# KiCad board Video Board - Memory.kicad_pcb (continued)
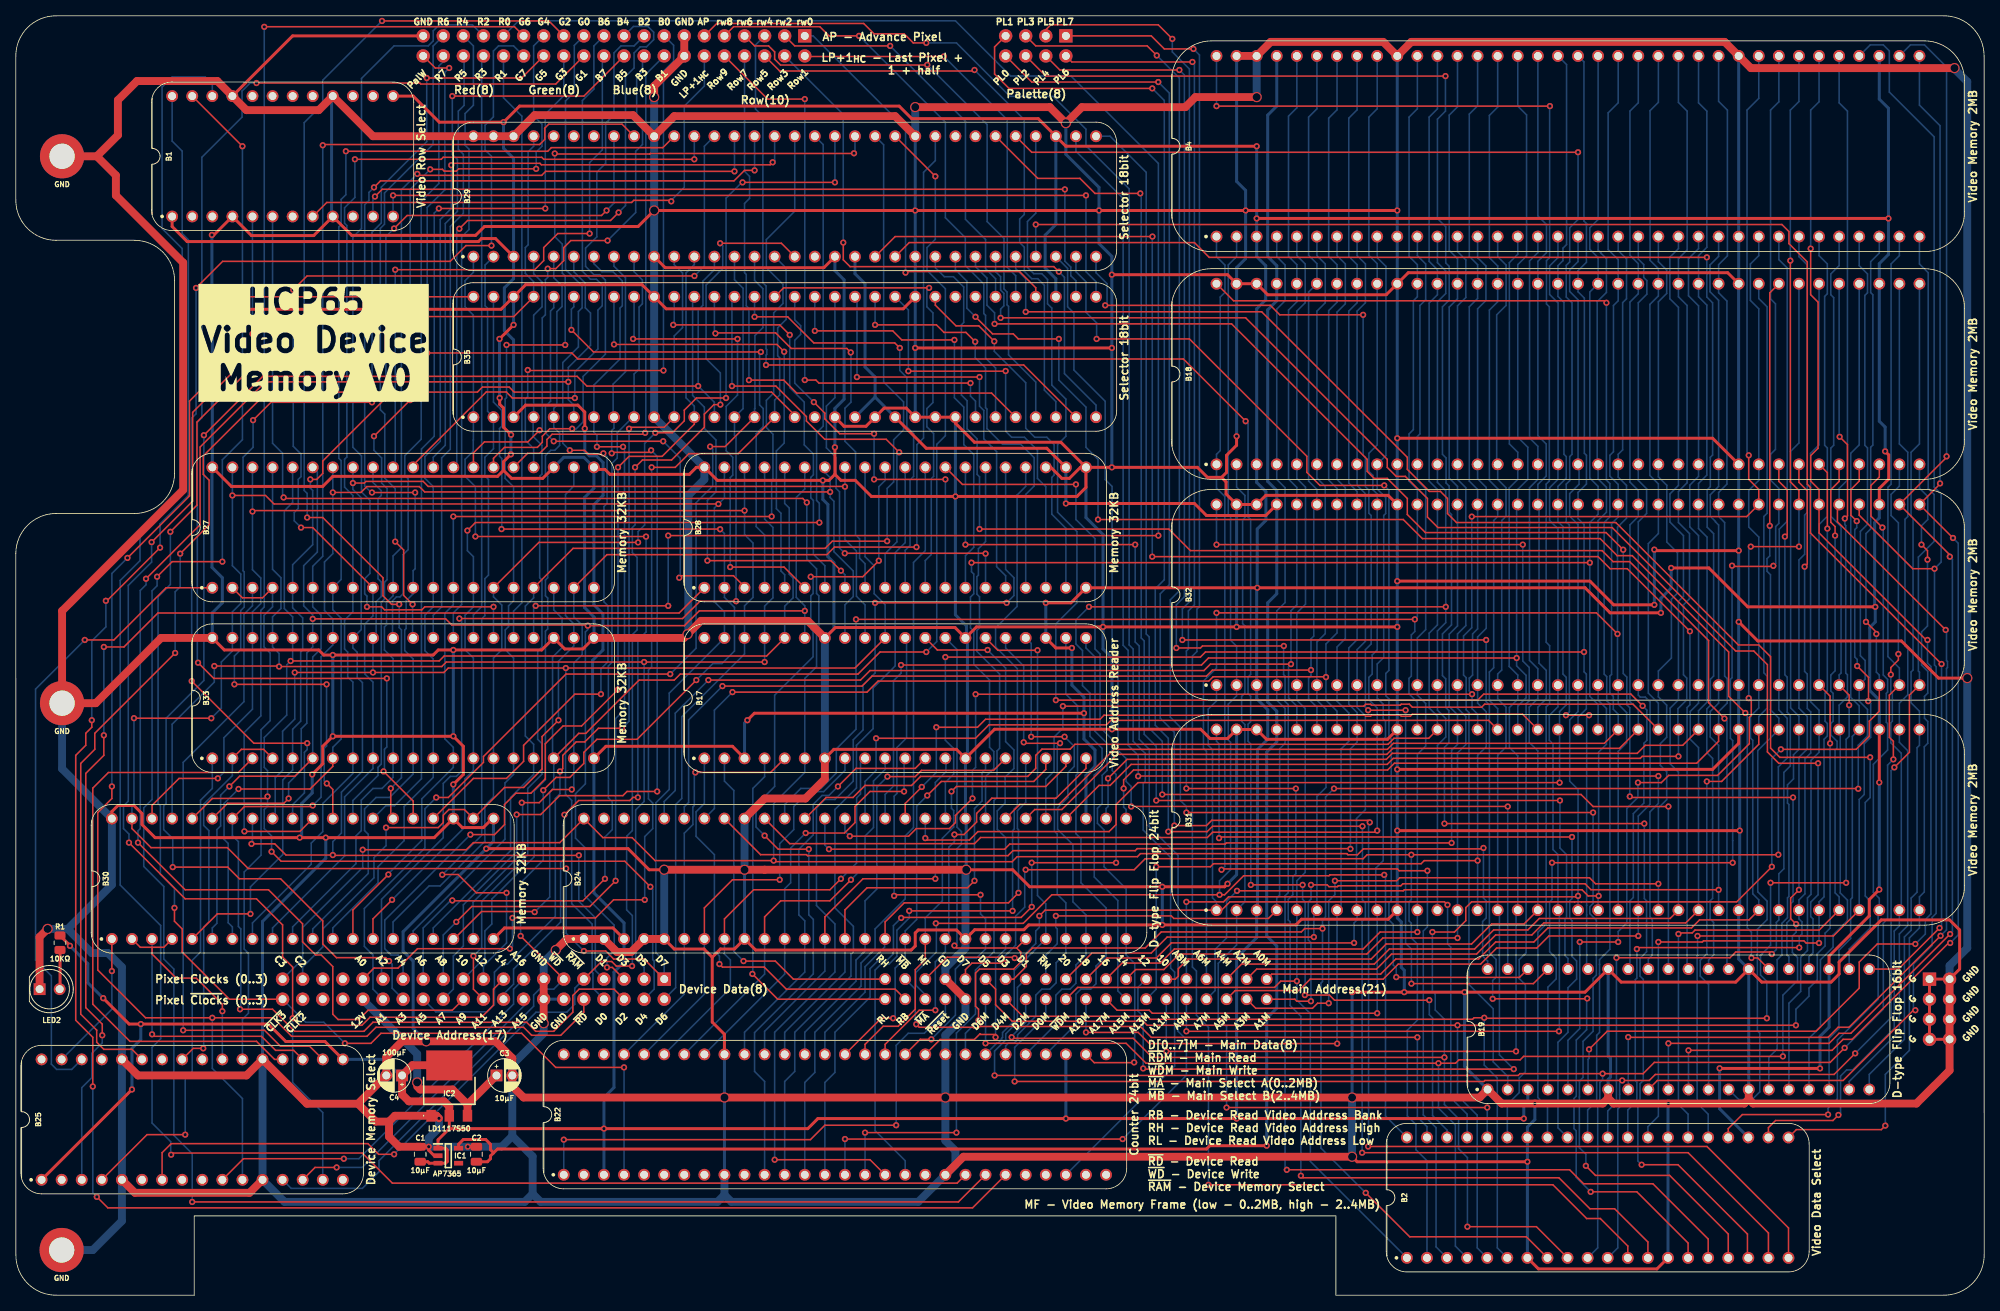
[diagram p0: board, top side]
## Routing (per net, layer and track width the routed paths; a pad name or vN(x,y) marks a point on that pad's centre or on a via; arc(x,y) is an arc through that point) (continued)
/PL0: length 244
  Top w0.2: v1(144.48,153.54) 128.48,153.54 J1.8 ; v1(171.03,18.82) 213.88,18.82 224.19,8.51 B2.20 ; v1(171.23,59.84) 170.97,60.1 151.24,60.1 150.58,59.44 v1(146.52,59.44)
  Bottom w0.2: v1(144.48,153.54) 145.88,152.15 145.88,89.92 144.74,88.77 144.74,73.03 146.52,71.25 v1(146.52,59.44) ; v1(171.03,18.82) 171.08,18.88 171.08,59.69 v1(171.23,59.84)
/PL1: length 247.2
  Top w0.2: v1(170.3,59.35) 151.35,59.35 150.67,58.67 v1(145.75,58.67) ; J1.7 123.78,157.99 123.78,154.56 125.6,152.74 v1(143.72,152.74) ; v1(170.26,18.03) 211.49,18.03 221.65,7.87 B2.19
  Bottom w0.2: v1(170.3,59.35) 170.3,50.03 170.68,49.66 170.68,47.75 170.26,47.34 v1(170.26,18.03) ; v1(143.72,152.74) 145.25,151.21 145.25,90.55 144.1,89.41 144.1,72.14 145.75,70.49 v1(145.75,58.67)
/PL2: length 241.1
  Top w0.2: v1(180.68,59.69) v1(205.95,59.69) ; v1(205.61,16.51) 210.22,16.51 218.99,7.73 218.99,4.84 ; v1(180.81,154.29) 130.27,154.29 J1.6
  Bottom w0.2: v1(205.61,16.51) 205.14,16.99 205.14,23.83 205.41,24.1 205.41,26.76 205.82,27.18 205.82,39.97 205.41,40.39 205.41,42.64 206.24,43.47 206.24,49.91 205.95,50.2 v1(205.95,59.69) ; v1(180.81,154.29) 180.81,149.86 179.79,148.84 179.79,136.27 180.84,135.22 180.84,130.65 181.28,130.21 181.28,125.95 180.42,125.1 180.42,106.43 180.88,105.97 180.88,102.8 181.28,102.4 181.28,99.1 181.57,98.81 181.57,84.84 180.42,83.69 180.42,78.42 180.84,78.01 180.84,74.39 181.24,73.99 181.24,69.9 180.68,69.34 v1(180.68,59.69)
/PL3: length 238.4
  Top w0.2: J1.5 128.99,158.12 143.09,158.12 v1(144.29,156.91) ; v1(148.04,61.09) v1(199.47,61.09) ; B2.17 216.57,7.75 209.15,15.16 199.77,15.16 v1(198.56,16.37)
  Bottom w0.2: v1(198.56,16.37) 198.56,17.85 197.74,18.67 197.74,25.08 197.75,25.09 197.75,27.11 198.2,27.56 198.2,32.13 199.47,33.4 199.47,40.1 199.89,40.51 199.89,47.47 199.06,48.3 199.06,49.17 199.47,49.59 v1(199.47,61.09) ; v1(148.04,61.09) 148.04,61.85 147.28,62.61 147.28,71.88 146.01,73.15 146.01,88.01 147.15,89.15 147.15,154.05 v1(144.29,156.91)
/PL4: length 231.3
  Top w0.2: v1(147.15,155.07) 132.04,155.07 J1.4 ; v1(160.74,15.87) 160.75,15.88 196.5,15.88 198.28,14.1 207.04,14.1 214.03,7.11 B2.16 ; v1(160.36,82.17) 150.07,82.17 149.82,81.92 v1(146.77,81.92)
  Bottom w0.2: v1(146.77,81.92) 146.77,87.38 147.79,88.39 147.79,154.43 v1(147.15,155.07) ; v1(160.74,15.87) 160.52,16.09 160.52,50.55 160.92,50.95 160.92,74.75 160.52,75.15 160.52,78.36 160.33,78.55 160.33,82.14 v1(160.36,82.17)
/PL5: length 234.5
  Top w0.2: v1(199.17,13.08) 205.01,13.08 211.49,6.6 B2.15 ; v1(185.95,82.93) v1(147.53,82.93) ; v1(198.73,37.56) 198.69,37.51 v1(186.77,37.51) ; J1.3 130.26,160.15 130.89,160.78 144.48,160.78 v1(146.26,159)
  Bottom w0.2: v1(198.73,37.56) 198.66,37.49 198.66,33.6 197.35,32.29 197.35,25.18 197.06,24.89 197.06,21.08 197.34,20.81 197.34,14.91 v1(199.17,13.08) ; v1(146.26,159) 146.26,157.35 148.42,155.19 148.42,87.76 147.53,86.87 v1(147.53,82.93) ; v1(185.95,82.93) 185.95,75.12 186.36,74.71 186.36,43.34 187.2,42.5 187.2,40.26 186.77,39.83 v1(186.77,37.51)
/PL6: length 222.1
  Top w0.2: J1.2 133.56,156.08 v1(148.8,156.08) ; v1(162.52,15.13) 162.78,14.86 195.16,14.86 199.08,10.93 202.21,10.93 206.41,6.73 B2.13 ; v1(161.88,64.12) 148.05,64.12 v1(148.04,64.14)
  Bottom w0.2: v1(162.52,15.13) 162.52,35.31 161.16,36.66 161.16,47.26 160.92,47.5 160.92,50.09 161.5,50.67 161.5,52.96 161.88,53.34 v1(161.88,64.12) ; v1(148.04,64.14) 148.04,81.53 148.29,81.79 148.29,86.61 149.06,87.38 149.06,155.83 v1(148.8,156.08)
/PL7: length 219.8
  Top w0.2: B2.12 203.87,6.22 200.39,9.7 198.66,9.7 194.39,13.97 v1(150.83,13.97) ; J1.1 143.59,159.39 145.25,157.73 v1(148.93,157.73)
  Bottom w0.2: v1(148.93,157.73) 149.69,156.97 149.69,87.16 149.37,86.84 149.37,81.47 148.8,80.9 148.8,41.53 149.31,41.02 149.31,35.43 150.83,33.91 v1(150.83,13.97)
/Read Address Bank: length 53
  Top w0.2: v1(88.98,41.91) 89.37,41.53 94.65,41.53 97.44,38.74 111.21,38.74 J2.38
  Bottom w0.2: B17.1 87.08,62.23 86.03,61.18 86.03,58.07 88.35,55.75 88.35,43.56 88.98,42.93 v1(88.98,41.91)
/Read Address High: length 45.5
  Top w0.2: v1(92.03,42.29) 96.05,42.29 98.33,40.01 J2.39
  Bottom w0.2: B17.2 89.62,65.07 90.81,63.88 90.81,43.52 v1(92.03,42.29)
/Read Address Low: length 46
  Top w0.2: J2.40 96.35,37.47 v1(93.15,40.66)
  Bottom w0.2: v1(93.15,40.66) 93.21,40.72 93.21,64.14 94.7,65.63 B17.4
/Red0: length 230
  Top w0.2: v1(65.74,87.25) v1(82.51,87.25) ; v1(144.5,96.14) v1(82.51,96.14)
  Bottom w0.2: J3.31 63.58,161.29 118.83,161.29 125.81,154.31 133.44,154.31 144.5,143.25 v1(144.5,96.14) ; v1(65.74,87.25) 65.49,87 B33.24 ; v1(82.51,96.14) v1(82.51,87.25)
/Red1: length 75.1
  Bottom w0.2: J3.32 61.68,151.55 64,149.23 64,87.63 62.95,86.58 B33.25
/Red2: length 108.4
  Top w0.2: v1(60.41,87.12) 51.72,87.12 51.34,86.74 46.64,86.74 46.26,87.12 v1(44.41,87.12)
  Bottom w0.2: J3.33 57.74,160.78 53.55,160.78 52.79,160.02 52.79,158.75 52.15,158.12 47.84,158.12 43.72,154 43.72,135 42.63,133.91 42.63,107.32 43.72,106.23 43.72,101.65 44.79,100.58 44.79,91.35 44.12,90.68 44.12,88.77 44.41,88.49 v1(44.41,87.12) ; B33.26 v1(60.41,87.12)
/Red3: length 73.9
  Bottom w0.2: 58.92,156.63 58.92,87.16 57.87,86.11 B33.27
/Red4: length 78.2
  Bottom w0.2: J3.35 57.87,158.12 57.87,150.61 56.82,149.55 56.82,145.54 57.31,145.05 57.31,134.88 56.38,133.95 56.38,87.41 55.33,86.36 B33.28
/Red5: length 75.7
  Bottom w0.2: 56.69,156.75 56.69,150.59 55.96,149.86 55.96,145.03 56.6,144.4 56.6,136.91 54.95,135.26 54.95,107.06 53.85,105.97 53.85,87.12 52.79,86.06 B33.29
/Red6: length 81.1
  Top w0.2: v1(50.18,87.44) 49.05,88.57 49.05,94.31 v1(47.98,95.38)
  Bottom w0.2: v1(47.98,95.38) 47.98,102.09 46.66,103.41 46.66,111.51 46.1,112.08 46.1,135.01 46.63,135.54 46.63,139.51 52.78,145.66 52.78,158.1 J3.37 ; 50.18,83.26 v1(50.18,87.44)
/Red7: length 76.2
  Bottom w0.2: 47.64,83.25 47.64,87.89 48.13,88.38 48.59,88.38 48.98,88.77 48.98,93.73 49.61,94.36 49.61,103.34 49.2,103.76 49.2,106.26 51.27,108.33 51.27,138.46 53.5,140.7 53.5,155.58 54.06,156.13
/Row Address ~{OE}: length 60.2
  Top w0.2: v1(68.03,108.08) v1(81.87,108.08) ; 92.16,89.66 90.76,91.06 84.16,91.06 v1(83.9,90.81)
  Bottom w0.2: v1(81.87,108.08) 84.03,105.92 84.03,90.93 v1(83.9,90.81) ; v1(68.03,108.08) 66.98,109.13 66.98,112.49 67.62,113.13 67.62,124.56 68.03,124.97 B35.60
/Row Address ~{WE}: length 60.3
  Top w0.2: v1(70.26,122.17) 73.06,119.38 v1(94.22,119.38)
  Bottom w0.2: v1(94.22,119.38) 94.06,119.22 94.06,112.68 94.52,112.22 94.52,109.93 93.63,109.04 93.63,97.28 94.7,96.21 B28.4 ; v1(70.26,122.17) 70.26,124.79 70.57,125.1 B35.59
/RowA0: length 46.5
  Top w0.2: v1(123.75,120.72) 121.79,122.68 118.91,122.68 116.29,125.3 B35.41
  Bottom w0.2: B28.19 132.8,97.06 131.02,98.84 131.02,103.51 131.31,103.79 131.31,107.66 130.39,108.59 128.86,108.59 127.72,109.73 127.72,115.49 123.75,119.46 v1(123.75,120.72)
/RowA1: length 52.9
  Top w0.2: v1(112.88,116.95) 125.16,116.95 v1(125.18,116.97)
  Bottom w0.2: v1(125.18,116.97) 125.18,109.35 125.94,108.59 127.56,108.59 129.2,106.94 129.2,103.38 130.26,102.32 B28.18 ; v1(112.88,116.95) 112.88,124.69 B35.43
/RowA2: length 53.1
  Top w0.2: v1(121.33,120.68) 120.15,121.86 117.38,121.86 116.43,122.81 v1(108.67,122.81)
  Bottom w0.2: v1(121.33,120.68) 121.33,118.66 122.64,117.35 122.64,112.33 122.82,112.14 122.82,109.67 124.8,107.7 127.08,107.7 128.79,105.99 128.79,102.41 127.72,101.35 B28.17 ; B35.44 v1(108.67,122.81)
/RowA3: length 53.5
  Top w0.2: v1(106.37,116.21) v1(121.88,116.21)
  Bottom w0.2: v1(121.88,116.21) 121.88,112.52 122.42,111.98 122.42,108.38 124.04,106.77 124.04,92.2 125.18,91.06 B28.16 ; v1(106.37,116.21) 106.38,116.22 106.38,126.11
/RowA4: length 56
  Top w0.2: v1(122.64,93.85) 122.59,93.9 v1(104.83,93.9)
  Bottom w0.2: v1(104.83,93.9) 104.17,94.56 104.17,101.68 103.75,102.11 103.75,106.01 102.51,107.25 102.51,112.52 103.59,113.6 B35.46 ; B28.15 v1(122.64,93.85)
/RowA5: length 55.3
  Top w0.2: v1(118.7,120.9) 112.05,120.9 110.9,122.05 v1(101.05,122.05)
  Bottom w0.2: v1(118.7,120.9) 118.7,113.58 119.89,112.4 119.89,107.65 121.15,106.39 121.15,94.65 120.1,93.6 B28.14 ; B35.47 v1(101.05,122.05)
/RowA6: length 53.2
  Top w0.2: v1(108.54,103.25) v1(117.56,103.25) ; v1(100.92,113.03) 102.32,111.63 102.32,110.91 104.2,109.03 v1(108.54,109.03)
  Bottom w0.2: v1(108.54,109.03) 108.54,103.25 v1(108.54,103.25) ; B35.48 98.51,123.44 99.26,122.69 99.26,121.61 98.51,120.86 98.51,115.44 v1(100.92,113.03) ; B28.13 v1(117.56,103.25)
/RowA7: length 59.5
  Top w0.2: B35.49 97.1,127.49 v1(115.5,127.49)
  Bottom w0.2: v1(115.5,127.49) 115.22,127.21 115.22,125.1 115.98,124.33 115.98,112.98 115.22,112.21 115.22,109.91 116.07,109.06 116.07,103.63 115.77,103.33 115.77,93.74 115.02,92.98 B28.12
/RowA8: length 54.1
  Top w0.2: v1(93.43,123.83) 97.62,123.83 100.92,120.52 111.16,120.52 v1(111.79,119.89)
  Bottom w0.2: v1(111.79,119.89) 111.79,117.04 112.69,116.15 112.69,109.9 113.54,109.05 113.54,103.63 113.09,103.18 113.09,94.89 112.48,94.28 B28.11 ; B35.50 v1(93.43,123.83)
/RowA9: length 53.7
  Top w0.2: v1(111.72,106.68) 110.07,108.33 102.3,108.33 99.98,110.65 99.98,111.2 96.12,115.06 v1(90.57,115.06)
  Bottom w0.2: 90.44,125.92 90.57,125.79 v1(90.57,115.06) ; v1(111.72,106.68) 111.43,106.39 111.43,95.34 109.94,93.85 B28.10
/RowA10: length 54
  Top w0.2: v1(88.48,121.73) 88.54,121.79 96.1,121.79 98.07,119.82 105.09,119.82 v1(105.59,119.32)
  Bottom w0.2: B28.9 107.4,92.58 106.71,93.27 106.71,95.72 106.2,96.23 106.2,106.74 104.86,108.08 104.86,112.27 105.62,113.03 105.62,119.29 v1(105.59,119.32) ; v1(88.48,121.73) 88.35,121.86 B35.52
/RowA11: length 54.6
  Top w0.2: v1(87.46,92.96) 103.08,92.96 v1(104.35,91.69)
  Bottom w0.2: v1(104.35,91.69) 104.86,91.19 B28.8 ; 85.59,126.15 85.59,113.88 87.08,112.4 87.08,109.7 88.54,108.24 88.54,101.67 87.46,100.58 v1(87.46,92.96)
/RowA12: length 53
  Top w0.2: v1(83.14,122.81) 96.6,122.81 v1(97.87,121.54)
  Bottom w0.2: B35.54 83.27,122.94 v1(83.14,122.81) ; B28.7 102.32,92.33 100.87,93.78 100.87,100.58 100.54,100.91 100.54,103.51 100.87,103.83 100.87,106.46 99.71,107.62 99.71,113.03 97.87,114.87 v1(97.87,121.54)
/RowA13: length 59.1
  Top w0.2: B28.6 97.16,92.15 v1(90.35,92.15) ; v1(91.27,121.03) 91.27,121.03 83.53,121.03 83.52,121.03 v1(78.06,121.03)
  Bottom w0.2: v1(78.06,121.03) 78.19,121.16 B35.56 ; v1(91.27,121.03) 91.27,113.92 89.84,112.49 89.84,106.88 90.67,106.05 90.67,103.79 90.35,103.47 v1(90.35,92.15)
/RowA14: length 58.7
  Top w0.2: v1(97.17,119.41) 96.25,120.33 v1(75.65,120.33)
  Bottom w0.2: v1(97.17,119.41) 97.17,107.84 96.19,106.86 96.19,99.55 96.77,98.97 96.77,91.66 97.24,91.19 B28.5 ; B35.57 v1(75.65,120.33)
/RowI0: length 54.4
  Top w0.2: B35.36 128.99,127.51 126.94,129.56 112.66,129.56 v1(112.52,129.43)
  Bottom w0.2: v1(112.52,129.43) 112.52,147.69 100.83,159.39 J3.1
/RowI1: length 51.7
  Top w0.2: 99.85,156.77 117.36,156.77 v1(117.37,156.78)
  Bottom w0.2: B35.37 126.45,129.03 125.39,130.1 125.39,148.76 v1(117.37,156.78)
/RowI2: length 51.1
  Top w0.2: v1(110.57,158.12) 98.51,158.12 J3.3
  Bottom w0.2: v1(110.57,158.12) 120.1,148.59 120.1,136.17 122.64,133.63 122.64,129.92 123.91,128.65 B35.38
/RowI3: length 77.1
  Top w0.2: v1(104.65,133.22) 104.65,131.04 105.51,130.18 131.28,130.18 v1(131.91,129.54)
  Bottom w0.2: J3.4 104.65,149.44 v1(104.65,133.22) ; B35.32 136.61,112.65 132.62,116.64 132.62,128.83 v1(131.91,129.54)
/RowI4: length 84.7
  Top w0.2: B35.31 127.47,117.73 v1(94.88,117.73)
  Bottom w0.2: J3.5 93.55,158.23 93.55,150.12 94.48,149.19 94.48,128.14 94.88,127.74 94.88,119.78 94.97,119.69 94.97,119.07 94.88,118.98 v1(94.88,117.73)
/RowI5: length 76.5
  Top w0.2: J3.6 96.6,154.94 121.12,154.94 v1(121.24,155.07)
  Bottom w0.2: B35.30 131.53,113.1 130.08,114.55 130.08,127.82 129.24,128.65 128.48,128.65 127.54,129.59 127.54,132.64 126.96,133.22 126.96,136.2 127.54,136.78 127.54,148.77 v1(121.24,155.07)
/RowI6: length 75.5
  Top w0.2: J3.7 93.43,158.12 95.21,158.12 95.97,157.35 95.97,156.43 96.71,155.69 115.24,155.69 v1(115.27,155.72)
  Bottom w0.2: v1(115.27,155.72) 122.84,148.16 122.84,135.88 124.97,133.75 124.97,127.35 125.36,126.97 125.36,125.34 125.55,125.15 125.55,119.01 128.99,115.57 B35.29
/RowI7: length 77.5
  Top w0.2: B35.28 123.4,114.17 98.76,114.17 97.12,115.81 v1(92.72,115.81)
  Bottom w0.2: J3.8 92.16,142.24 92.79,141.61 92.79,138.81 92.16,138.18 92.16,129.41 92.38,129.19 92.38,125.22 92.72,124.88 v1(92.72,115.81)
/RowI8: length 73.4
  Top w0.2: v1(106.64,159.39) 102.84,159.39 101.68,160.55 90.78,160.55 J3.9
  Bottom w0.2: v1(106.64,159.39) 117.56,148.46 117.56,136.37 120.08,133.85 120.08,130.32 122.42,127.98 122.42,124.24 122.64,124.02 122.64,118.62 123.91,117.35 B35.27
/RowI9: length 73.7
  Top w0.2: v1(99.78,115.82) 101.18,115.82 101.56,115.44 v1(120.73,115.44) ; J3.10 95.08,151.38 v1(99.78,151.38)
  Bottom w0.2: B35.26 121.37,113.16 120.73,113.79 v1(120.73,115.44) ; v1(99.78,115.82) v1(99.78,151.38)
/VGD0: length 160.6
  Top w0.2: v1(244.63,44.58) 244.43,44.58 232.23,32.39 231.1,32.39 229.7,30.99 v1(211.54,30.99) ; v1(243.35,102.74) 243.35,102.68 B32.37 244.99,95.84 v1(244.99,95.84)
  Bottom w0.2: v1(243.35,102.74) 243.35,148.02 240.75,150.62 B4.37 ; v1(244.99,95.84) 245.65,95.17 245.65,45.6 v1(244.63,44.58) ; B19.11 v1(211.54,30.99)
/VGD1: length 170
  Top w0.2: v1(209,31.88) 229.32,31.88 230.59,33.15 232.07,33.15 v1(244.63,45.71) ; v1(244.59,93.47) 244.59,93.7 B32.38 244.18,106.05 v1(244.18,106.17)
  Bottom w0.2: v1(244.18,106.17) 244.18,155.45 241.38,158.24 239.61,158.24 B4.38 ; v1(244.63,45.71) 244.92,46 244.92,93.14 v1(244.59,93.47) ; B19.10 v1(209,31.88)
/VGD2: length 182.2
  Top w0.2: v1(242.65,91.95) 239.9,91.95 233.13,98.72 B32.40 ; B19.9 207.6,27.18 231.1,27.18 239.99,36.07 v1(240.23,36.07)
  Bottom w0.2: B4.40 234.53,158.24 236.18,158.24 236.94,157.48 236.94,152.27 242.6,146.61 242.6,102.29 243.49,101.4 243.49,92.79 v1(242.65,91.95) 242.65,79.76 242.86,79.55 242.86,48.32 242.35,47.81 242.35,44.27 239.99,41.91 239.99,36.31 v1(240.23,36.07)
/VGD3: length 169.6
  Top w0.2: v1(243.42,45.49) 231.84,33.91 230.46,33.91 229.19,32.64 203.94,32.64 v1(203.92,32.66) ; v1(244.06,84.2) 230.37,97.89 230.37,99.86
  Bottom w0.2: v1(243.42,45.49) 244.17,46.24 244.17,79.32 244.29,79.45 244.29,80.19 244.17,80.32 244.17,84.1 v1(244.06,84.2) ; B32.41 230.59,102.11 231.64,103.16 231.64,149.86 230.59,150.91 B4.41 ; v1(203.92,32.66) B19.8
/VGD4: length 174.7
  Top w0.2: v1(241.77,82.93) 241.59,82.93 228.05,96.48 B32.42 228.05,101.98 226.99,103.04 226.99,106.26 227.92,107.19 227.92,125.69 226.99,126.62 v1(226.99,132.46) ; v1(198.97,31.12) 201.26,33.41 227.68,33.41 233.13,38.86 233.13,42.16 235.42,44.45 v1(240.23,44.45)
  Bottom w0.2: B19.6 198.84,29.85 198.97,29.97 v1(198.97,31.12) ; B4.42 228.05,151.04 226.99,149.99 v1(226.99,132.46) ; v1(241.77,82.93) 241.77,80.01 242.2,79.58 242.2,48.24 241.49,47.54 241.49,45.71 v1(240.23,44.45)
/VGD5: length 155.9
  Top w0.2: v1(219.16,75.57) 219.48,75.24 219.48,73.38 219.23,73.13 219.23,69.8 215.22,65.79 209.02,65.79 208.11,64.88 v1(205.15,64.88) ; v1(202.65,44.7) v1(197.79,44.7) ; v1(224.42,130.94) 224.42,102.94 225.51,101.85 B32.43 ; v1(225.51,94.74) v1(219.41,94.74)
  Bottom w0.2: v1(197.79,44.7) 197.79,33.75 196.3,32.26 B19.5 ; v1(202.65,44.7) 202.65,46.03 203.74,47.12 203.74,61.6 205.15,63.01 v1(205.15,64.88) ; v1(219.41,94.74) 219.16,94.49 v1(219.16,75.57) ; v1(224.42,130.94) 224.42,149.99 225.51,151.08 B4.43 ; B32.43 v1(225.51,94.74)
/VGD6: length 161.7
  Top w0.2: v1(217.05,92.33) 217.14,92.24 222.2,92.24 v1(222.27,92.31) ; v1(217.13,54.74) v1(194.28,54.74)
  Bottom w0.2: B19.4 193.76,38.99 194.81,40.04 194.81,42.64 193.98,43.47 193.98,49.78 194.28,50.08 v1(194.28,54.74) ; v1(222.27,92.31) 222.57,92.61 222.57,97.28 222.97,97.68 B32.44 222.97,102.11 221.92,103.16 221.92,106.43 222.54,107.05 222.54,125.48 221.92,126.1 221.92,149.99 222.97,151.04 B4.44 ; v1(217.13,54.74) 217.13,57.53 217.13,70.2 216.84,70.49 216.84,77.94 217.05,78.15 v1(217.05,92.33)
/VGD7: length 170.2
  Top w0.2: v1(219.16,106.3) 219.16,103.25 220.43,101.98 B32.45 218.89,98.54 v1(184.13,98.54)
  Bottom w0.2: v1(184.13,98.54) 184.13,84.48 183.09,83.44 183.09,78.49 183.42,78.16 183.42,74.09 183.78,73.73 183.78,39.32 186.84,36.26 186.84,29.54 188.68,27.7 B19.2 ; B4.45 220.43,151.48 218.94,149.99 218.94,106.52 v1(219.16,106.3)
/VGD_{C2}0: length 173
  Top w0.2: v1(209,61.85) 199.47,61.85 197.95,63.37 v1(144.99,63.37)
  Bottom w0.2: B19.31 v1(209,61.85) ; B29.33 138.39,146.69 142.96,142.11 142.96,83.69 143.34,83.31 143.34,71.76 144.99,70.1 v1(144.99,63.37)
/VGD_{C2}1: length 175.3
  Top w0.2: v1(141.94,65.68) 141.97,65.71 v1(207.73,65.71)
  Bottom w0.2: v1(141.94,65.68) 141.94,68.33 140.67,69.6 140.67,81.61 140.04,82.25 140.04,138.81 134.07,144.78 B29.34 ; v1(207.73,65.71) 207.73,62.23 206.67,61.17 206.67,47.88 206.97,47.58 206.97,43.05 206.46,42.55 B19.32
/VGD_{C2}2: length 186.3
  Top w0.2: v1(205.74,74.59) 204.26,76.07 185.63,76.07 184.87,75.31 v1(131.53,75.31)
  Bottom w0.2: B29.36 128.99,136.94 127.94,135.89 127.94,130.08 128.74,129.29 129.75,129.29 130.48,128.56 130.48,125.48 131.02,124.93 131.02,115.19 132.8,113.41 132.8,108.71 131.75,107.66 131.75,99.09 134.2,96.65 134.2,87.63 131.53,84.96 v1(131.53,75.31) ; v1(205.74,74.59) 206.28,74.05 206.28,70.23 205.9,69.85 205.9,62.28 204.56,60.95 204.56,50.33 204.14,49.91 204.14,41.5
/VGD_{C2}3: length 179.8
  Top w0.2: v1(197.57,144.65) 128.48,144.65 B29.37 ; v1(196.05,73.41) v1(198.97,73.41)
  Bottom w0.2: v1(196.05,73.41) 196.48,73.84 196.48,97.48 196.08,97.88 196.08,102.65 196.52,103.09 196.52,106.14 196.81,106.43 196.81,125.6 196.08,126.33 196.08,130.34 196.52,130.78 196.52,135.09 197.57,136.14 v1(197.57,144.65) ; 198.66,41.46 198.66,48.13 198.66,48.13 198.66,49.34 198.66,49.34 198.66,73.1 v1(198.97,73.41)
/VGD_{C2}4: length 171.9
  Top w0.2: B29.38 129.24,141.35 134.58,141.35 136.48,139.45 v1(142.21,139.45) ; v1(195.28,62.61) v1(144.23,62.61)
  Bottom w0.2: v1(142.21,139.45) 142.32,139.33 142.32,83.19 142.71,82.8 142.71,70.99 144.23,69.47 v1(144.23,62.61) ; B19.36 196.3,42.62 195.92,43 195.92,47.55 196.12,47.75 196.12,55.76 195.28,56.6 v1(195.28,62.61)
/VGD_{C2}5: length 148.5
  Top w0.2: v1(171.03,74.04) v1(175.76,74.04) ; v1(170.39,124.08) 159.85,124.08 158.65,125.28 v1(137.78,125.28) ; v1(176.5,39.43) 191.92,39.43 B19.37
  Bottom w0.2: v1(137.78,125.28) 138.01,125.51 138.01,128.02 136.61,129.41 B29.32 ; v1(176.5,39.43) 176.5,43.8 175.76,44.54 v1(175.76,74.04) ; v1(171.03,74.04) 170.68,74.39 170.68,81.7 171.41,82.42 171.41,98.68 171.12,98.97 171.12,101.89 170.68,102.33 170.68,106.05 170.39,106.33 v1(170.39,124.08)
/VGD_{C2}6: length 137.3
  Top w0.2: B19.38 190.17,40.23 174.62,40.23 v1(174.58,40.26) ; v1(173.06,102.49) 164.93,102.49 163.28,104.14 163.28,106.17 148.42,121.03 v1(136.69,121.03)
  Bottom w0.2: v1(173.06,102.49) 173.65,101.89 173.65,79.08 173.26,78.69 173.26,75.87 173.65,75.48 173.65,70.65 173.95,70.36 173.95,49.95 173.65,49.66 173.65,47.5 174.2,46.95 174.2,41.78 174.58,41.4 v1(174.58,40.26) ; v1(136.69,121.03) 136.69,123.06 135.34,124.41 135.34,128.27 134.07,129.54 B29.31
/VGD_{C2}7: length 141.8
  Top w0.2: v1(188.68,61.85) 188.67,61.86 141.07,61.86 v1(141.05,61.85)
  Bottom w0.2: v1(141.05,61.85) 141.05,64.39 140.42,65.02 140.42,67.92 139.38,68.96 139.38,81.02 138.64,81.76 138.64,102.36 137.77,103.23 137.77,113.14 133.82,117.09 133.82,124.3 133.02,125.1 133.02,129.96 B29.30 ; B19.39 v1(188.68,61.85)
/VPD0: length 105.7
  Bottom w0.2: B18.37 240.75,107.74 239.69,106.68 239.69,98.55 239.94,98.3 239.94,79.12 239.69,78.87 239.69,74.98 240.75,73.91 B31.37 240.75,69.6 240.44,69.29 240.44,51 239.7,50.26 239.7,46.19 238.84,45.34 238.84,32.39 234.4,27.94 B19.20
/VPD1: length 106.7
  Bottom w0.2: B18.38 238.21,107.74 239.27,106.68 239.27,98.55 238.92,98.2 238.92,82.17 239.27,81.82 239.27,75.99 238.21,74.93 B31.38 238.21,69.98 239.26,68.93 239.26,46.77 238.21,45.72 238.21,33.4 231.86,27.05 B19.19
/VPD2: length 104.4
  Bottom w0.2: B19.18 229.32,32.51 230.57,33.76 230.57,43.67 232.05,45.14 232.05,50.1 232.26,50.31 232.26,70.72 B31.40 233.13,74.59 232.06,75.66 232.06,106.55 233.13,107.62 B18.40
/VPD3: length 105.2
  Top w0.2: v1(230.65,108.64) 231.65,107.65 231.65,98.63 v1(231.31,98.3)
  Bottom w0.2: B19.17 226.78,32.51 228.23,33.96 228.23,42.45 229.83,44.04 229.83,45.59 231.64,47.41 231.64,50 230.73,50.92 230.73,71.26 ; B18.41 230.59,108.71 v1(230.65,108.64) ; B31.41 230.59,74.68 231.64,75.73 231.64,78.53 231.43,78.74 231.43,97.41 231.31,97.52 v1(231.31,98.3)
/VPD4: length 104.4
  Bottom w0.2: B19.16 224.24,36.96 225.73,38.45 225.73,39.66 225.73,42.77 226.58,43.62 226.58,50.28 227.03,50.73 227.03,67.69 228.05,68.71 B31.42 228.05,74.04 226.98,75.11 226.98,106.55 228.05,107.63 B18.42
/VPD5: length 104.6
  Bottom w0.2: B18.43 225.51,107.86 224.46,106.81 224.46,74.33 225.51,73.28 B31.43 225.51,69.09 224.82,68.4 224.82,65.35 224.06,64.59 224.06,62.28 224.24,62.1 224.24,50.47 224.06,50.29 224.06,47.77 223.35,47.06 223.35,43.05 222.75,42.45 222.75,31.15 221.7,30.1 B19.15
/VPD6: length 110.6
  Top w0.2: B18.44 221.82,126.87 v1(221.82,97.38)
  Bottom w0.2: v1(221.82,97.38) 221.82,93.57 221.47,93.22 221.47,91.63 221.91,91.19 221.91,74.09 222.97,73.03 B31.44 220.3,68.93 220.3,51.05 221.48,49.88 221.48,47.53 220.25,46.3 220.25,33.45 220.56,33.15 220.56,25.73 219.59,24.77 217.89,24.77 B19.13
/VPD7: length 107.8
  Top w0.2: v1(213.86,65.02) 215.73,65.02 220.43,69.72 B31.45
  Bottom w0.2: B19.12 214.08,39.34 213.03,40.39 213.03,42.38 213.86,43.21 v1(213.86,65.02) ; B31.45 220.43,73.24 221.48,74.3 221.48,78.36 221.07,78.77 221.07,98.55 221.48,98.96 221.48,125.1 220.43,126.15 B18.45
/VPD_{C2}0: length 207
  Top w0.2: v1(128.99,135.51) 223.35,135.51 224.24,134.62 224.24,133.1 226.56,130.77 226.56,102.64 226.96,102.24 226.96,96.47 v1(243.54,79.88) ; v1(243.29,46.48) 238.08,41.28 B19.21
  Bottom w0.2: v1(243.54,79.88) 243.54,46.74 v1(243.29,46.48) ; B29.29 v1(128.99,135.51)
/VPD_{C2}1: length 174.9
  Top w0.2: v1(234.51,68.07) 223.1,68.07 221.92,69.25 221.92,80.81 220.43,82.3 217.84,82.3 202.35,97.79 182.2,97.79 181.06,98.93 181.06,100.84 180.16,101.73 178.77,101.73 175.98,104.52 175.98,106.05 157.56,124.46 v1(127.72,124.46)
  Bottom w0.2: B29.28 126.45,129.92 127.72,128.65 v1(127.72,124.46) ; v1(234.51,68.07) 234.51,62.98 233.89,62.36 233.89,50.53 234.51,49.91 234.51,46.47 231.86,43.82 B19.22
/VPD_{C2}2: length 170.3
  Top w0.2: v1(124.54,123.7) 155.53,123.7 173.44,105.79 173.44,104.78 174.58,103.63 175.73,103.63 178.52,100.84 178.52,98.49 179.85,97.16 201.89,97.16 217.51,81.53 219.79,81.53 221.52,79.81 221.52,68.76 222.96,67.32 v1(227.93,67.32)
  Bottom w0.2: v1(124.54,123.7) 124.54,124.81 124.96,125.22 124.96,126.8 124.54,127.22 124.54,128.91 123.91,129.54 B29.27 ; B19.24 226.78,42.83 227.29,43.34 227.29,47.63 227,47.91 227,49.75 227.93,50.68 v1(227.93,67.32)
/VPD_{C2}3: length 177.3
  Top w0.2: v1(204.12,63.12) 204.25,62.99 v1(224.76,62.99) ; v1(123.78,122.94) 153.75,122.94 170.9,105.79 170.9,104.27 171.79,103.38 173.44,103.38 175.98,100.84 175.98,98.81 178.27,96.52 201.11,96.52 v1(203.28,94.35)
  Bottom w0.2: v1(203.28,94.35) 203.28,78.69 203.74,78.23 203.74,74.73 204.12,74.35 v1(204.12,63.12) ; B19.25 224.24,42.81 223.99,43.07 223.99,47.13 224.46,47.61 224.46,49.53 224.76,49.83 v1(224.76,62.99) ; v1(123.78,122.94) 123.78,124.33 122.82,125.3 122.82,128.72 121.37,130.18 B29.26
/VPD_{C2}4: length 174.7
  Top w0.2: B19.26 220.29,42.68 v1(219.5,42.68) ; v1(121.37,123.83) 123.53,121.67 126.14,121.67 126.78,121.03 v1(131.91,121.03) ; v1(218.73,73.69) 216.62,75.8 216.62,81.41 204.43,93.6 202.52,93.6 200.36,95.76 177.88,95.76 175.47,98.17 v1(136.86,98.17)
  Bottom w0.2: v1(218.73,73.69) 218.97,73.45 218.97,46.48 219.5,45.95 v1(219.5,42.68) ; v1(131.91,121.03) 131.91,115.82 135.34,112.4 135.34,107.32 136.86,105.79 v1(136.86,98.17) ; v1(121.37,123.83) 120.28,124.91 120.28,128.34 118.83,129.79 B29.25
/VPD_{C2}5: length 178.1
  Top w0.2: v1(121.88,96.96) 145.82,96.96 148.55,94.23 200.62,94.23 202.01,92.84 204.1,92.84 214.08,82.86 214.08,75 v1(216.09,72.99)
  Bottom w0.2: B29.24 116.29,130.05 117.43,128.91 118.58,128.91 119.88,127.6 119.88,123.11 119.59,122.82 119.59,113.92 120.31,113.2 120.31,109.65 121.57,108.38 121.57,103.89 121.88,103.58 v1(121.88,96.96) ; v1(216.09,72.99) 216.4,72.67 216.4,41.49
/VPD_{C2}6: length 196.4
  Top w0.2: B29.22 112.99,133.22 149.06,133.22 150.93,131.35 v1(213.86,131.35)
  Bottom w0.2: v1(213.86,131.35) 213.86,126.33 214.59,125.6 214.59,106.33 214.3,106.05 214.3,102.33 213.9,101.93 213.9,97.21 214.46,96.65 ; 214.46,96.65 214.71,96.39 214.71,78.36 214.3,77.94 214.3,74.64 213.86,74.2 213.86,68.67 214.59,67.95 214.59,50.22 214.28,49.91 214.28,47.63 214.71,47.19 214.71,43.05 214.08,42.42 B19.29
/VPD_{C2}7: length 191.3
  Top w0.2: B29.21 111.21,133.99 v1(143.75,133.99) ; v1(143.72,93.47) 200.11,93.47 201.63,91.95 203.79,91.95 v1(211.72,84.02)
  Bottom w0.2: v1(143.75,133.99) 143.72,133.96 v1(143.72,93.47) ; 211.36,41.46 211.36,74.37 211.72,74.73 v1(211.72,84.02)
/~{CLK}3: length 175.9
  Top w0.2: v1(19.54,96.62) 22.91,99.98 22.91,110.5 29.93,117.53 v1(29.93,121.67) ; v1(20.06,49.02) 20.06,47.33 21.04,46.36 21.04,43.43 27.01,37.47 J4.40 ; v1(76.92,28.83) 68.28,28.83 63.97,33.15 46.19,33.15 44.92,31.88 v1(41.61,31.88)
  Bottom w0.2: B1.5 v1(29.93,121.67) ; v1(19.54,96.62) 19.54,89.95 17.99,88.39 17.99,62.23 18.28,61.94 18.28,53.3 20.06,51.52 v1(20.06,49.02) ; J4.40 36.66,34.54 38.95,34.54 v1(41.61,31.88) ; B22.4 v1(76.92,28.83)
/~{CS Memory B}: length 121
  Top w0.2: v1(153.12,23.75) v1(186.09,23.75)
  Bottom w0.2: v1(153.12,23.75) 153.12,34.04 152.07,35.09 152.07,42 154.39,44.32 B31.2 155.44,49.78 155.44,72.23 155.02,72.64 155.02,75.79 155.44,76.2 155.44,84.71 155.15,85 155.15,98.14 155.44,98.43 155.44,101.22 154.39,102.27 B18.2 ; v1(186.09,23.75) B2.36
/~{Device RAM 0}: length 168.6
  Top w0.2: v1(20.15,81.28) 9.99,71.12 9.99,69.09 8.21,67.31 8.21,35.56 10.23,33.54 10.23,32.02 11.13,31.12 14.69,31.12 B25.27 ; v1(20.79,93.85) 24.44,97.51 24.44,103.15 23.71,103.89 23.71,106.22 31.78,114.3 58.38,114.3 59.01,114.94 62.4,114.94 63.03,114.3 95.58,114.3 98.51,111.37
  Bottom w0.2: v1(20.15,81.28) 20.15,89.03 20.79,89.66 v1(20.79,93.85)
/~{Device RAM}: length 187.2
  Top w0.2: v1(47.84,17.83) 45.88,17.83 44.53,19.18 19.64,19.18 18.5,18.03 B25.7 ; v1(77.94,41.66) 75.94,41.66 75.36,42.23 74.07,42.23 J4.9 ; v1(89.07,133.14) 96.82,133.14 B29.17 ; v1(89.1,112.71) 88.29,112.71 87.08,111.51 87.08,109.86 82.93,105.71 79.25,105.71 v1(78.32,104.78)
  Bottom w0.2: v1(89.07,133.14) 89.4,132.81 89.4,129.96 87.3,127.85 87.3,118.53 89.1,116.72 v1(89.1,112.71) ; v1(78.32,104.78) 78.32,97.5 77.97,97.16 77.97,93.98 78.57,93.38 78.57,84.2 77.97,83.6 77.97,58.8 77.25,58.08 77.25,48.77 77.97,48.05 77.97,41.69 v1(77.94,41.66) ; J4.9 70.69,38.86 70.69,36.82 69.68,35.81 65.79,35.81 47.84,17.87 v1(47.84,17.83)
/~{EG0}: length 121
  Top w0.2: v1(190.58,95) v1(151.85,95)
  Bottom w0.2: B32.72 v1(151.85,95) ; v1(190.58,95) 190.58,80.26 191.4,79.45 191.4,75.24 191,74.84 191,43.34 190.13,42.47 190.13,40.08 190.91,39.29 190.91,28.27 190.13,27.49 190.13,25.64 188.63,24.14 B2.35
/~{EG1}: length 180.8
  Top w0.2: v1(151.85,150.5) v1(194.01,150.5)
  Bottom w0.2: v1(151.85,150.5) B4.72 ; B2.33 193.71,23.8 192.49,25.02 192.49,45.94 193.54,46.99 193.54,74.46 193.98,74.9 193.98,82.2 193.54,82.64 193.54,102.65 193.94,103.05 193.94,125.1 193.58,125.46 193.58,130.94 193.98,131.34 193.98,150.46 v1(194.01,150.5)
/~{EP0}: length 98.6
  Top w0.2: v1(152.17,57.85) 152.31,57.99 v1(196.81,57.99)
  Bottom w0.2: B2.32 195.03,21.18 195.03,32 196.3,33.27 196.3,38.92 197.39,40.01 197.39,42.29 196.81,42.87 196.81,47.42 196.52,47.71 196.52,49.91 196.81,50.2 v1(196.81,57.99) ; B31.72 151.85,70.1 152.17,69.79 v1(152.17,57.85)
/~{EP1}: length 157.9
  Top w0.2: B18.72 154.01,125.86 200.91,125.86 v1(201.16,125.6)
  Bottom w0.2: v1(201.16,125.6) 201.16,103.16 201.6,102.72 201.6,98.52 200.87,97.79 200.87,78.61 201.2,78.29 201.2,75.24 201.6,74.84 201.6,43.78 200.29,42.47 200.29,41.88 200.29,33.25 199.93,32.89 199.93,24.59 198.79,23.44 B2.31
/~{Memory A}: length 189.6
  Top w0.2: v1(116.35,47.07) 127.41,47.07 131.02,50.67 v1(152.23,50.67) 152.87,50.67 155.28,53.09 166.07,53.09 166.2,53.21 166.21,53.2 v1(173.06,53.2)
  Bottom w0.2: B4.2 154.39,131.45 153.34,130.39 153.34,98.84 153.63,98.55 153.63,82.9 154.39,82.13 B32.2 154.39,75.85 153.34,74.8 153.34,70.27 153.63,69.98 153.63,53.85 152.23,52.45 v1(152.23,50.67) ; 115.02,38.03 113.83,39.22 113.83,40.85 116.42,43.44 116.42,47 v1(116.35,47.07) ; v1(173.06,53.2) 173.22,53.04 173.22,22.67 B2.40
/~{Memory B}: length 83.7
  Top w0.2: v1(113.88,34.29) 114.26,33.91 121.06,33.91 121.12,33.85 121.74,33.85 121.91,34.01 142.22,34.01 143.59,32.64 v1(177.25,32.64)
  Bottom w0.2: B2.39 178.47,21.34 177.25,22.56 v1(177.25,32.64) ; J2.37 113.75,38.74 113.75,34.42 v1(113.88,34.29)
/~{Memory Frame}: length 158.3
  Top w0.2: v1(178.52,53.72) 174.94,53.72 174.71,53.95 152.59,53.95 v1(152.48,53.85)
  Bottom w0.2: v1(178.52,53.72) 178.52,46.61 178,46.09 178,22.82 179.61,21.21 179.61,6.12 B2.3 ; B4.1 151.85,131.45 152.92,130.38 152.92,126.93 152.32,126.33 152.32,106.9 151.85,106.43 B18.1 151.85,102.14 152.9,101.09 152.9,54.26 v1(152.48,53.85)
/~{Reset}: length 67
  Top w0.2: v1(111.34,21.51) 102.32,21.51 100.49,19.69 v1(69.3,19.69)
  Bottom w0.2: v1(111.34,21.51) 111.34,31.62 112.86,33.15 114.89,33.15 117.56,35.81 J2.34 ; B22.1 v1(69.3,19.69)
Net-(LED2-A): length 5
  Top w0.38: 5.6,43.68 5.6,38.71

## Text on the board
B.Silkscreen: HCP65 / Video Device / Memory V0
F.Silkscreen: GND | R6 | R4 | R2 | R0 | G6 | G4 | G2 | G0 | B6 | B4 | B2 | B0 | AP | rw8 | rw6 | rw4 | rw2 | rw0 | PL1 | PL3 | PL5 | PL7 | G | ~{CLK3} | ~{CLK2} | 12V | A1 | A3 | PalW | A5 | R7 | A7 | R5 | A9 | R3 | A11 | R1 | A13 | G7 | A15 | G5 | G3 | G1 | ~{RD} | B7 | D0 | B5 | D2 | B3 | D4 | B1 | D6 | LP+1_{HC} | Row9 | Row7 | Row5 | Row3 | Row1 | RL | RB | ~{MA} | ~{Reset} | D6M | PL0 | D4M | PL2 | D2M | PL4 | D0M | PL6 | ~{WD}M | A19M | A17M | A15M | A13M | A11M | A9M | A7M | A5M | A3M | A1M | C3 | C2 | A0 | A2 | A4 | A6 | A8 | 10 | 12 | 14 | A16 | ~{WD} | ~{RAM} | D1 | D3 | D5 | D7 | RH | ~{MB} | MF | GD | ~{R}M | 20 | 18 | 16 | A8M | A6M | A4M | A2M | A0M | MF - Video Memory Frame (low - 0..2MB, high - 2..4MB) | D[0..7]M - Main Data(8) / ~{RD}M - Main Read / ~{WD}M - Main Write / ~{MA} - Main Select A(0..2MB) / ~{MB} - Main Select B(2..4MB) | RB - Device Read Video Address Bank / RH - Device Read Video Address High / RL - Device Read Video Address Low | ~{RD} - Device Read / ~{WD} - Device Write / ~{RAM} - Device Memory Select | Device Data(8) | LP+1_{HC} - Last Pixel + / 1 + half | AP - Advance Pixel | Main Address(21) | Device Address(17) | Red(8) | Green(8) | Blue(8) | Row(10) | Palette(8) | Pixel Clocks (0..3) | Pixel ~{Clock}s (0..3) | HCP65 / Video Device / Memory V0
